# Altium PCB wulpus_pro_acq.PcbDoc (part 2 of 3)
Units mm, origin at the board's own origin, x right, y up, seen from the top; angles counter-clockwise.
Board outline 79.3 x 38 mm, 6 copper layers (Top Layer, Layer 2, Layer 3, Layer 4, Layer 5, Bottom Layer), stack 0.926 mm thick; 202 components, 136 nets, 925 pads, 254 vias.
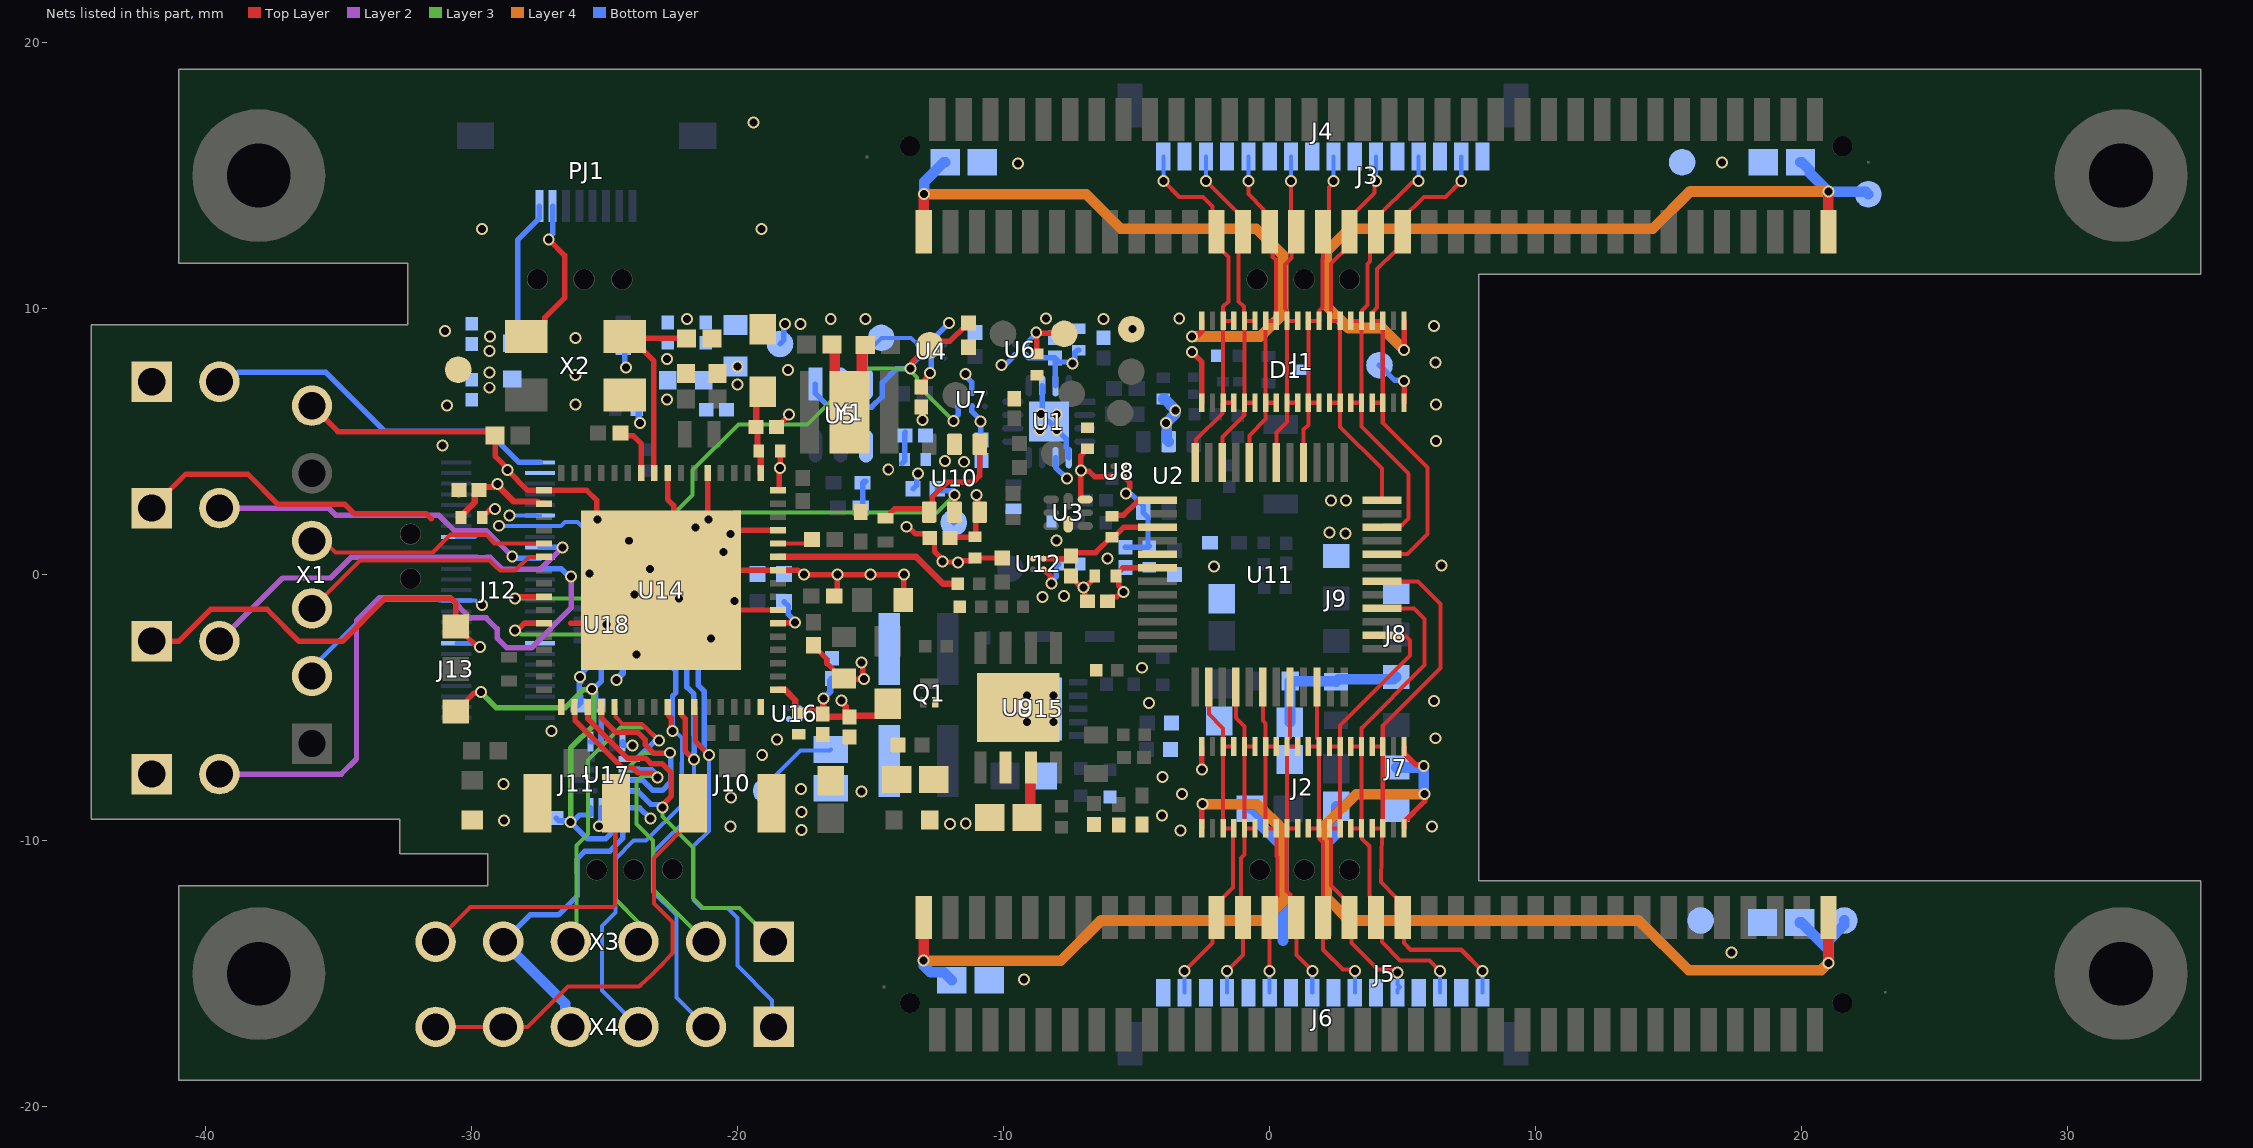
[diagram p6: the nets of this part, all layers, seen from the top]

## Part data (continued)
C64: library part CMP-2007-03354-2, "GCM21BR71H105KA03L", Capacitance=1uF, Case Code (Imperial)=0805, Case Code (Metric)=2012, Dielectric=X7R, Max Operating Temperature=125°C, Min Operating Temperature=-55°C, Package Quantity=3000, Ratings=AEC-Q200, Tolerance=10%, Voltage Rating=50V, Case/Package=0805, Depth=1.2mm, Height=1.25mm, Lead Free="Lead Free", Length=2mm, Mount="Surface Mount", Packaging="Tape and Reel", Radiation Hardening=No, Termination=SMD/SMT, Thickness=0.055inch, Voltage Rating (DC)=50V, Weight=0.000335oz, Width=0.049inch
C67: library part CMP-06035-019038-1, "GRM155C71H104KE19D", Capacitance=100nF, Dielectric=X7S, Tolerance=10%, Voltage Rating (DC)=50V, Length=1mm, Thickness=500um, Width=500um
C69 C70 C71 C72: library part CMP-06035-028020-1, "GRM155Z71A105KE01D"
D1: library part CMP-12791-000024-1, "DIODE ARRAY GP 85V 75MA SOT523", Capacitance=1.5pF, Forward Current=75mA, Manufacturer="Diodes Inc.", Max Junction Temp=+150°C, Max Repetitive Reverse Voltage=85V, Max Surge Forward Current=0.5A, Package=SOT523, Peak Reverse Current=2uA, Temperature="-65°C to +150°C", Temperature Range Low=-65°C, Automotive=No, Category=Diode, ComponentLink2Description=Datasheet, ComponentLink2URL=https://www.diodes.com/assets/Datasheets/ds30260.pdf, Device Class L1="Discrete Semiconductors", Device Class L2=Diodes, Device Class L3="Rectifier Diodes", Digikey Description="DIODE ARRAY GP 85V 75MA SOT523", Footprint Url=https://www.diodes.com/assets/Package-Files/SOT523.pdf, Height=0.9mm, Lead Free=Yes, Manufacturer Part Number=BAV99T-7-F, Mouser Description="BAV99T Series 4 A 85 V 150 mW Surface Mount Fast Switching Diode - SOT-523", Octopart=https://octopart.com/bav99t-7-f-diodes+inc.-326340, Reverse Voltage=85V, RoHS=TRUE, Standoff Height=0mm, Temperature Range High=+150°C
D2: library part CMP-44529-000045-1, "LED GREEN CLEAR 1608 SMD", Case Code (Imperial)=0603, Case Code (Metric)=1608, Color=Green, Forward Voltage=2.65V, Lens Color=Colorless, Test Current=2mA, Case/Package=0603, Dominant Wavelength=525nm, Height=0.75mm, Length=1.6mm, Lens Size=0.7mm, Lens Style=Round, Lens Transparency=Clear, Luminous Intensity=180mcd, Mount="Surface Mount", Packaging="Tape and Reel", Viewing Angle=100°, Width=0.8mm
D3: "Diode Schottky 40V 1A Automotive 2-Pin SOD-323 T/R", Average Rectified Current=1A, Manufacturer=Diodes, Max Reverse Voltage (DC)=40V, Supplier Part Number 1=3127490, Category="Rectifier Diodes", ComponentLink1Description=http://www.mouser.com/ds/2/115/ZHCS400Q-959646.pdf?src-supplier=Mouser, ComponentLink1URL=http://www.mouser.com/ds/2/115/ZHCS400Q-959646.pdf?src-supplier=Mouser, Manufacturer Part Number=ZHCS400QTA, Mount="Surface Mount", Packaging="Tape and Reel", Pricing 1="5=0.87300, 10=0.73400, 100=0.49400, 500=0.38800 (CHF)", RoHS=Yes, RoHS Compliant=Yes, Stock 1=385, Supplier 1=Farnell
FB1 FB2: library part CMP-00260-111572291-1, "BLM18SP101SN1D Ferrite Bead, 100 Ohm, 3.7A, 0603 Rohs Compliant: Yes", Case/Package=0603, Max Operating Temperature=125°C, Min Operating Temperature=-55°C, Resistance=22mΩ, RMS Current (Irms)=3.7A, Test Frequency=100MHz, Tolerance=25%, Core Material=Ferrite, Height=950µm, Lifecycle Status=Production, NexarPartId=111572291, Series Resistance=22mΩ
FB3 FB4: library part CMP-00260-111572290-1, "BLM18SP101SH1D Ferrite Beads Multi-Layer 100Ohm 25% 100MHz 3.7A 0.022Ohm DCR 0603 Automotive T/R", Case/Package=0603, Max Operating Temperature=125°C, Min Operating Temperature=-55°C, Resistance=22mΩ, RMS Current (Irms)=3.7A, Test Frequency=100MHz, Tolerance=25%, Core Material=Ferrite, Height=950µm, Lifecycle Status=Production, NexarPartId=111572290, Schedule B="8504500000, 8504500000", Series Resistance=22mΩ
J1 J2: library part CMP-11605-000009-1, "CONN RCPT 40POS SMD GOLD", Current Rating=0.3A, Manufacturer=Hirose, Package=0, Temperature="-35°C to +85°C", Temperature Range High=+85°C, Temperature Range Low=-35°C, Voltage Rating=30V, Automotive=No, Category=Conn, ComponentLink2Description=Datasheet, ComponentLink2URL=https://www.hirose.com/product/document?clcode=CL0684-4008-7-51&productname=DF40C-40DS-0.4V(51)&series=DF40&documenttype=SpecSheet&lang=en&documentid=0000427780, Conn Gender=Female, Conn Orientation=Vertical, Contact Material=Gold,Nickel, Device Class L1=Connectors, Device Class L2="Board to Board Connectors", Device Class L3=unset, Digikey Description="CONN RCPT 40POS SMD GOLD", Footprint Url=https://www.hirose.com/product/document?clcode=CL0684-4008-7-51&productname=DF40C-40DS-0.4V(51)&series=DF40&documenttype=2DDrawing&lang=en&documentid=0001001229, Height=1.65mm, Is Female=yes, Lead Free=Yes, Manufacturer Part Number=DF40C-40DS-0.4V(51), Number of Contacts=40, Number of Rows=2, Octopart=https://octopart.com/df40c-40ds-0.4v%2851%29-hirose-19073526, Pitch=0.4mm, RoHS=TRUE, Standoff Height=0mm
J3 J5: "Conn; Rect; Industrial; MezzanineRECP; 69Cnts; SMT; I-IndustrialSeries", Package=None, Availability=Unavailable, MP=91931-31169LF, Price=None
J4 J6: "No Description Available", Mfr_Name=Hirose, Copyright="Copyright (C) 2022 Ultra Librarian. All rights reserved.", Manufacturer_Part_Number=DF52-16S-0.8H(21), RefDes=RefDes, Type=DEV
J7 J8 J9 J13: library part CMP-00467-6, "Solder Jumper 3 Pads", Technology=SMT
J10 J11: library part CMP-2000-05152-3, "CONN U.FL RCPT STR 50 OHM SMD", Dielectric Material=Polymer, Frequency=6GHz, Housing Color=Beige, Insulation Resistance=500MR, Max Operating Temperature=90°C, Min Operating Temperature=-40°C, Package Quantity=2500, Body Material=Bronze, Body Plating=Silver, Connector Type=Coaxial, Contact Material=Brass, Contact Plating=Gold, Depth=3.1mm, Fastening Type=Snap, Gender=Male, Impedance=50R, Lead Free="Lead Free", Length=3mm, Max Frequency=6GHz, Mount="Surface Mount", Orientation=Straight, Packaging="Cut Tape", Radiation Hardening=No, REACH SVHC="No SVHC", Series=U.FL, Termination=Solder, Weight=0.001764oz, Wire/Cable Type=Coaxial
J12: "50 Position 0.4mm Pitch Dual Row Vertical Surface Mount (SMT) Pin Socket, 3.0mm Stacking Height", Mfr_Name=Hirose, Copyright="Copyright (C) 2023 Ultra Librarian. All rights reserved.", Manufacturer_Part_Number=DF40HC(3.0)-50DS-0.4V(51), RefDes=RefDes, Type=DEV
L1 L2: library part CMP-0220-00032-1, "SMD EMI Suppression Ferrite Bead WE-CBF, Z = 600 Ohm", ComponentLink1Description="Manufacturer Link", ComponentLink1URL=http://www.we-online.com, ComponentLink2Description=Datasheet, ComponentLink2URL=http://www.we-online.de/katalog/media/pdf/742792040.pdf, DatasheetVersion=Dec-2005, Impedance="600 Ohm", PackageDescription="Chip Inductor, 2-Leads, Body 2.0 x 1.2 mm", PackageReference=SMD-0805, PackageVersion=2005
L3 L4: library part CMP-06042-007129-1, "Wire Wound Ferrite Inductor for Power Lines For Automotive 10μH ±20% 0.228Ω 1280mA 1212", Case Code (Imperial)=1212, Case Code (Metric)=3030, Current Rating=1.28A, DC Resistance (DCR)=228mR, Inductance=10uH, Max Operating Temperature=85°C, Min Operating Temperature=-40°C, Ratings=AEC-Q200, Resistor Type=Wirewound, Saturation Current=810mA, Self Resonant Frequency=20MHz, Test Frequency=1MHz, Tolerance=20%, Case/Package=1212, Core Material=Ferrite, Mount="Surface Mount", Packaging="Cut Tape", Shielding=Shielded
M1 M2 M3 M4: library part CMP-00274-1, "M2 Hole, 2.4mm drill, 5mm landing pads, 3mm pad in middle layers, no overlay", ClassName="Mounting Hole"
PJ1: library part MOLEX_5051100892
Q1: "MOSFET (N-Channel)", Manufacturer_Name=Nexperia, Mouser Part Number=771-NX7002BKMBYL, Arrow Part Number=NX7002BKMBYL, Arrow Price/Stock=https://www.arrow.com/en/products/nx7002bkmbyl/nexperia?region=nac, Datasheet Link=https://assets.nexperia.com/documents/data-sheet/NX7002BKMB.pdf, Height=0.4mm, Manufacturer_Part_Number=NX7002BKMBYL, Mouser Price/Stock=https://www.mouser.co.uk/ProductDetail/Nexperia/NX7002BKMBYL?qs=%252BRKXB2WKlSdBDdfwQeVqTQ%3D%3D
R1: library part CMP-1011-00077-3, "CRCW04021K30JNED", Case Code (Imperial)=0402, Case Code (Metric)=1005, Max Operating Temperature=155°C, Max Power Dissipation=63mW, Min Operating Temperature=-55°C, Package Quantity=1, Resistance=1.3kR, Temperature Coefficient=200ppm/°C, Tolerance=5%, Voltage Rating=50V, Case/Package=0402, Composition="Thick Film", Contact Plating=Tin, Depth=0.5mm, Features="Automotive AEC-Q200", Height=0.016inch, Lead Free="Lead Free", Length=1mm, Military Standard=Not, Number of Terminations=2, Packaging="Tape and Reel", Power Rating=63mW, Radiation Hardening=No, Voltage Rating (DC)=50V, Weight=2.3E-05oz, Width=0.5mm
R2 R3: library part CMP-2002-00758-4, "ERJ-2RKF2001X", Case Code (Imperial)=0402, Case Code (Metric)=1005, Max Operating Temperature=155°C, Max Power Dissipation=100mW, Min Operating Temperature=-55°C, Package Quantity=10000, Resistance=2kR, Resistance Tolerance=1%, Resistor Type="Thick Film", Temperature Coefficient=100ppm/°C, Voltage Rating=50V, Case/Package=0402, Construction=Rectangular, Contact Plating=Tin, Depth=0.5mm, Features="Automotive AEC-Q200", Height=0.35mm, Lead Free="Lead Free", Length=1mm, Military Standard=Not, Mount="Surface Mount", Number of Terminations=2, Packaging="Tape and Reel", Power Rating=100mW, Radiation Hardening=No, REACH SVHC="No SVHC", RoHS Compliant=Yes, Series=ERJ, Technology="THICK FILM", Termination=SMD/SMT, Tolerance=1%, Voltage Rating (DC)=50V, Width=0.02inch, Working Voltage=50V
R4 R21 R33 R34: library part CMP-00030-23798141-1, "CRCW04021R00FKEDC", Case/Package=0402, Max Operating Temperature=155°C, Min Operating Temperature=-55°C, Power Rating=63mW, Resistance=1Ω, Temperature Coefficient=100ppm/°C, Tolerance=1%, Voltage Rating=50V, Composition="Thick Film", Height=350µm, Lead Free="Lead Free", NexarPartId=23798141, RoHS=Compliant, Schedule B="8533210045, 8533210045"
R5: library part CMP-02407-008611-1, "MCS04020C2701FE000", Case/Package=0402, Max Operating Temperature=125°C, Max Power Dissipation=100mW, Min Operating Temperature=-55°C, Package Quantity=10000, Resistance=2.7kR, Temperature Coefficient=50ppm/°C, Tolerance=1%, Composition="Thin Film", Contact Plating=Tin, Depth=0.5mm, Height=0.015inch, Lead Free="Lead Free", Length=0.039inch, Military Standard=Not, Number of Terminations=2, Packaging="Tape and Reel", Radiation Hardening=No, Width=0.02inch
R6 R7 R8 R17 R18 R19 R20 R23 R25 R30 R45 R47: library part CMP-2002-08122-2, "CRCW04020000Z0ED", Case Code (Imperial)=0402, Case Code (Metric)=1005, Max Operating Temperature=155°C, Max Power Dissipation=63mW, Min Operating Temperature=-55°C, Package Quantity=1, Resistance=0mR, Temperature Coefficient=100ppm/°C, Tolerance=5%, Voltage Rating=50V, Case/Package=0402, Composition="Thick Film", Contact Plating=Tin, Depth=0.5mm, Features="Automotive AEC-Q200", Height=0.35mm, Lead Free="Lead Free", Length=1mm, Military Standard=Not, Mount="Surface Mount", Number of Terminations=2, Packaging="Tape and Reel", Power Rating=63mW, Radiation Hardening=No, Termination=SMD/SMT, Voltage Rating (DC)=50V, Weight=2.3E-05oz, Width=0.5mm
R9: library part CMP-26527-004787-1, "RMCF0201JT47K0", Case Code (Imperial)=0201, Case Code (Metric)=0603, Max Operating Temperature=125°C, Max Power Dissipation=50mW, Min Operating Temperature=-55°C, Package Quantity=10000, Resistance=47kR, Resistor Type="Thick Film", Temperature Coefficient=200ppm/°C, Tolerance=5%, Case/Package=0201, Contact Plating=Tin, Height=0.009inch, Length=0.024inch, Mount="Surface Mount", Number of Terminations=2, Packaging="Tape and Reel", Power Rating=50mW, Radiation Hardening=No, RoHS Compliant=Yes, Series=RMCF, Width=0.012inch
R10 R11 R12 R14 R16 R22 R43 R44: library part CMP-2002-08136-3, "CRCW040210K0JNED", Case Code (Imperial)=0402, Case Code (Metric)=1005, Max Operating Temperature=155°C, Max Power Dissipation=63mW, Min Operating Temperature=-55°C, Package Quantity=1, Resistance=10kR, Temperature Coefficient=200ppm/°C, Tolerance=5%, Voltage Rating=50V, Case/Package=0402, Composition="Thick Film", Contact Plating=Tin, Depth=0.5mm, Features="Automotive AEC-Q200", Height=0.016inch, Length=1mm, Military Standard=Not, Mount="Surface Mount", Number of Terminations=2, Packaging="Tape and Reel", Power Rating=63mW, Radiation Hardening=No, Termination=SMD/SMT, Weight=2.3E-05oz, Width=0.5mm
R13: library part CMP-2002-00083-2, "CRCW040251R0JNED", Case Code (Imperial)=0402, Case Code (Metric)=1005, Max Operating Temperature=155°C, Max Power Dissipation=63mW, Min Operating Temperature=-55°C, Package Quantity=1, Resistance=51R, Temperature Coefficient=200ppm/°C, Tolerance=5%, Voltage Rating=50V, Case/Package=0402, Composition="Thick Film", Contact Plating=Tin, Depth=0.5mm, Features="Automotive AEC-Q200", Height=0.35mm, Lead Free="Lead Free", Length=1mm, Military Standard=Not, Mount="Surface Mount", Number of Pins=2, Number of Terminations=2, Packaging="Tape and Reel", Power Rating=63mW, Radiation Hardening=No, Termination=SMD/SMT, Voltage Rating (DC)=50V, Weight=2.3E-05oz, Width=0.5mm
R15: library part CMP-2000-00700-2, "ERJ-3GEY0R00V", Manufacturer=Panasonic, Package=0603, Power Rating=0.1W, Resistance=0Ω, Temperature="-55°C to +155°C", Temperature Coefficient=-100/+600ppm/°C, Temperature Range High=+155°C, Temperature Range Low=-55°C, Tolerance=5%, Voltage Rating=75V, Automotive=Yes, Automotive Grade="Grade 0", Category=Res, ComponentLink2Description=Datasheet, ComponentLink2URL=https://industrial.panasonic.com/cdbs/www-data/pdf/RDA0000/AOA0000C301.pdf, Composition="Thick Film", Device Class L1="Passive Components", Device Class L2=Resistors, Device Class L3="Chip SMD Resistors", Digikey Description="RES SMD 0 OHM JUMPER 1/10W 0603", Footprint Url=https://industrial.panasonic.com/cdbs/www-data/pdf/RDA0000/DMA0000COL17.pdf, Height=0.55mm, Ipc Land Pattern Name=RESC16080X45, Lead Free=Yes, Manufacturer Part Number=ERJ-3GEY0R00V, Mouser Description="Resistor, Chip Thick Film, 0 Ohm, 0.1w, Resistor, Chip Thick Film, 0 Ohm, 0.1w, 5%", Octopart=https://octopart.com/erj-3gey0r00v-panasonic-55389238, RoHS=TRUE, Series=ERJ
R24: library part ERJ-PA3J302V, "ERJ-PA3J302V", Manufacturer_Name=Panasonic, Mouser Part Number=667-ERJ-PA3J302V, Datasheet Link=https://industrial.panasonic.com/cdbs/www-data/pdf/RDO0000/AOA0000C331.pdf, Height=0.55mm, Manufacturer_Part_Number=ERJ-PA3J302V, Mouser Price/Stock=https://www.mouser.co.uk/ProductDetail/Panasonic/ERJ-PA3J302V?qs=BzJM0faLVqU1ZJAPCjWnWA%3D%3D
R26 R29: library part CMP-13261-002896-1, "RC1005F394CS", Case Code (Imperial)=0402, Case Code (Metric)=1005, Max Operating Temperature=155°C, Max Power Dissipation=63mW, Min Operating Temperature=-55°C, Resistance=390kR, Temperature Coefficient=100ppm/°C, Tolerance=1%, Voltage Rating (DC)=50V, Case/Package=0402, Composition="Thick Film", Contact Plating=Tin, Depth=0.5mm, Features="Moisture Resistant", Height=0.016inch, Lead Free="Lead Free", Length=0.039inch, Military Standard=Not, Number of Terminations=2, Packaging="Tape and Reel", Radiation Hardening=No, Width=0.02inch
R27 R28 R46: library part CMP-2002-00608-4, "ERJ-2RKF1003X", Case Code (Imperial)=0402, Case Code (Metric)=1005, Max Operating Temperature=155°C, Max Power Dissipation=100mW, Min Operating Temperature=-55°C, Package Quantity=1, Resistance=100kR, Temperature Coefficient=100ppm/°C, Tolerance=1%, Voltage Rating=50V, Case/Package=0402, Composition="Thick Film", Contact Plating=Tin, Depth=0.5mm, Features="Automotive AEC-Q200", Height=0.35mm, Lead Free="Lead Free", Length=1mm, Military Standard=Not, Mount="Surface Mount", Number of Pins=2, Number of Terminations=2, Packaging="Tape and Reel", Power Rating=100mW, Radiation Hardening=No, REACH SVHC="No SVHC", Termination=SMD/SMT, Voltage Rating (DC)=50V, Width=0.5mm
R31 R32: library part CMP-2002-08314-2, "RES Thick Film, 1MΩ, 1%, 0.063W, 100ppm/°C, 0402", Case Code (Imperial)=0402, Case Code (Metric)=1005, Max Operating Temperature=155°C, Max Power Dissipation=63mW, Min Operating Temperature=-55°C, Package Quantity=10, Resistance=1M, Temperature Coefficient=100ppm/°C, Tolerance=1%, Voltage Rating=50V, Case/Package=0402, Composition="Thick Film", Contact Plating=Tin, Depth=0.5mm, Features="Automotive AEC-Q200", Height=0.35mm, Lead Free="Lead Free", Length=1mm, Military Standard=Not, Number of Pins=2, Number of Terminations=2, Packaging="Tape and Reel", Power Rating=63mW, Radiation Hardening=No, Termination=SMD/SMT, Voltage Rating (DC)=50V, Weight=2.3E-05oz, Width=0.02inch
R35 R38: library part CMP-2002-07961-1, Manufacturer="Yageo / Phycomp", Resistance=22, Part Number=RC0402JR-0722RL
R36: library part CMP-2002-03257-1, Manufacturer="TE Connectivity / AMP", Resistance=324, Part Number=CPF0402B324RE1
R37: library part CMP-02407-007705-1, "RES Thick Film, 47kΩ, 1%, 0.063W, 100ppm/°C, 0402", Case Code (Imperial)=0402, Case Code (Metric)=1005, Max Operating Temperature=155°C, Min Operating Temperature=-55°C, Package Quantity=10000, Power Rating=63mW, Resistance=47k, Temperature Coefficient=100ppm/°C, Tolerance=1%, Voltage Rating=50V, Case/Package=0402, Composition="Thick Film", Contact Plating=Tin, Depth=0.5mm, Height=0.35mm, Lead Free="Lead Free", Length=1mm, Military Standard=Not, Mount="Surface Mount", Number of Terminations=2, Packaging="Tape and Reel", Radiation Hardening=No, Termination=SMD/SMT, Voltage Rating (DC)=50V, Weight=2.3E-05oz, Width=0.5mm, Working Voltage=50V
R39 R42: library part ERJ-2RKF1004X, "ERJ-2RKF1004X", Manufacturer_Name=Panasonic, Mouser Part Number=667-ERJ-2RKF1004X, Arrow Part Number=ERJ-2RKF1004X, Arrow Price/Stock=https://www.arrow.com/en/products/erj-2rkf1004x/panasonic?region=nac, Datasheet Link=https://industrial.panasonic.com/cdbs/www-data/pdf/RDA0000/AOA0000C86.pdf, Height=0.4mm, Manufacturer_Part_Number=ERJ-2RKF1004X, Mouser Price/Stock=https://www.mouser.co.uk/ProductDetail/Panasonic/ERJ-2RKF1004X?qs=H7k1u0Mp9JTG%252BclS6LVdqw%3D%3D
R40: library part ERJ-2RKF4322X, "ERJ-2RKF4322X", Manufacturer_Name=Panasonic, Mouser Part Number=667-ERJ-2RKF4322X, Datasheet Link=https://industrial.panasonic.com/cdbs/www-data/pdf/RDA0000/AOA0000C86.pdf, Height=0.4mm, Manufacturer_Part_Number=ERJ-2RKF4322X, Mouser Price/Stock=http://www.mouser.com/Search/ProductDetail.aspx?qs=YMBIwoNQYdULE5GECeB%2fdA%3d%3d
R41: library part ERJ-2RKF4122X, "ERJ-2RKF4122X", Manufacturer_Name=Panasonic, Mouser Part Number=667-ERJ-2RKF4122X, Arrow Part Number=ERJ-2RKF4122X, Arrow Price/Stock=https://www.arrow.com/en/products/erj-2rkf4122x/panasonic?utm_currency=USD&region=nac, Datasheet Link=https://industrial.panasonic.com/cdbs/www-data/pdf/RDA0000/AOA0000C86.pdf, Height=0.4mm, Manufacturer_Part_Number=ERJ-2RKF4122X, Mouser Price/Stock=https://www.mouser.co.uk/ProductDetail/Panasonic/ERJ-2RKF4122X?qs=YMBIwoNQYdUCaGOKDy4kUA%3D%3D
TP1 TP2 TP3 TP4 TP5 TP6 TP7 TP8 TP9 TP10 TP11 TP12 TP13 TP14 TP15 TP16 TP17 TP18 TP19 TP20: library part CMP-0484-00002-1, "Test Point, Surface Mount, Circular, Pad Diameter 1 mm"
U1: library part CMP-09116-000032-1, "IC OPAMP VGA 1 CIRCUIT 16LFCSP", Manufacturer="Analog Devices", Max Junction Temp=+150°C, Max Supply Voltage=5V, Min Supply Voltage=3V, Nominal Supply Current=3-6mA, Output Current per Channel=5mA, Package=CP-16-22, Temperature="-40°C to +85°C", Temperature Range High=+85°C, Temperature Range Low=-40°C, Voltage Gain=80dB, Automotive=No, Bandwidth=18MHz, Category=IC, ComponentLink2Description=Datasheet, ComponentLink2URL=https://www.analog.com/media/en/technical-documentation/data-sheets/AD8338.pdf, Device Class L1="Integrated Circuits (ICs)", Device Class L2="Linear ICs", Device Class L3="Amplifiers - Op Amps", Digikey Description="IC OPAMP VGA 1 CIRCUIT 16LFCSP", Height=0.8mm, Ipc Land Pattern Name=QFN50P300X300X75-16, Lead Free=Yes, Manufacturer Part Number=AD8338ACPZ-R7, Mouser Description="Special Purpose Amplifiers Ultra Low Pwr 18MHz SGL CH VGA", Number of Channels=1, Octopart=https://octopart.com/ad8338acpz-r7-analog+devices-21054770, RoHS=TRUE
U2 U10: library part CMP-0018-00480-2, "Very Low Power, Rail to Rail Out, Negative Rail In, VFB Operational Amplifier, 2.5 to 5.5 V, -40 to 125 degC, 6-pin SOT23 (DBV6), Green (RoHS & no Sb/Br)", Manufacturer="Texas Instruments", 2nd Harmonic(dBc)=85, 3rd Harmonic(dBc)=105, @ MHz=1, Acl, min stable gain(V/V)=1, BW @ Acl(MHz)=205, Code_JEDEC=MO-178, ComponentLink1Description="Manufacturer URL", ComponentLink1URL=http://www.ti.com/, ComponentLink2Description=Datasheet, ComponentLink2URL=http://www.ti.com/general/docs/lit/getliterature.tsp?genericPartNumber=OPA836&fileType=pdf, ComponentLink3Description="Package Specification", ComponentLink3URL=http://www.ti.com/litv/pdf/mpds026h, DatasheetVersion=SLOS712D, Eco-Plan="Green (RoHS & no Sb/Br)", Iib(Max)(nA)=1000, Io(Typ)(mA)=50, Iq per channel(Max)(mA)=1, Mounting Technology="Surface Mount", Number of Channels=1, PackageDescription="6-Pin Plastic Small Outline, Body 1.6 x 2.9 mm, Pitch 0.95 mm", PackageReference=DBV0006A, PackageVersion="4073253-5/K, 03/2006", PartNumber=OPA836IDBVT, Settling Time (0.1%)(Typ)(ns)=30, Slew Rate(Typ)(V/us)=560, Sub Family="Audio Operational Amplifier, High Output Current Amplifier (>=50mA), High Speed Amplifier (>=50MHz), Low Noise Amp (<=10nV/rtHz), Low Offset Voltage Amplifier (<=500uV), Low Supply Voltage Amplifier (<=2.7V)", Vio(Max)(mV)=0.4, Vn at Flatband(Typ)(nV/rtHz)=4.6, Vs(Max)(V)=5.5, Vs(Min)(V)=2.5
U3: library part CMP-0004-01511-1, "256-Tap, 100 k, Single Channel Potentiometer with SPI Interface, -40 to 125 degC, 8-pin QFN (RSE8), Green (RoHS & no Sb/Br)", Manufacturer="Texas Instruments", Code_JEDEC=MO-288, ComponentLink1Description="Manufacturer URL", ComponentLink1URL=http://www.ti.com/, ComponentLink2Description=Datasheet, ComponentLink2URL=http://www.ti.com/general/docs/lit/getliterature.tsp?genericPartNumber=TPL0501-100&fileType=pdf, ComponentLink3Description="Package Specification", ComponentLink3URL=http://www.ti.com/litv/pdf/mpqf207b, DAC Channels=1, DatasheetVersion=SLIS136A, DNL(Max)(+/-LSB)=0.5, Eco-Plan="Green (RoHS & no Sb/Br)", INL(Max)(+/-LSB)=1, Interface=SPI, Mounting Technology="Surface Mount", PackageDescription="8-Pin Plastic Quad Flatpack No-Pin, 1.5 x 1.5 mm Body, 0.5 mm Pitch", PackageReference=RSE8, PackageVersion="4207268-2/D, 01/2011", PartNumber=TPL0501-100RSER, Settling Time(us)=3, SubFamily="Digital Potentiometer"
U4 U7: "Analogue Switch ICs SPDT ANALOG SWITCH", Manufacturer_Name="Texas Instruments", Arrow Part Number=TS5A3159AYZPR, Arrow Price/Stock=https://www.arrow.com/en/products/ts5a3159ayzpr/texas-instruments?utm_currency=USD&region=nac, Datasheet Link=https://www.ti.com/lit/ds/symlink/ts5a3159a.pdf?ts=1623385377964&ref_url=https%253A%252F%252Fwww.ti.com%252Fproduct%252FTS5A3159A, Geometry.Height=0.5mm, Manufacturer_Part_Number=TS5A3159AYZPR
U5: library part CMP-09141-000004-1, "IC RF DETECT 100KHZ-1GHZ TSOT23", Manufacturer="Analog Devices", Max Frequency=1000MHz, Max Junction Temp=+125°C, Package=TSOT-23, Temperature="-40°C to +85°C", Temperature Range High=+85°C, Temperature Range Low=-40°C, Automotive=No, Bandwidth=999.9MHz, Category=IC, ComponentLink2Description=Datasheet, ComponentLink2URL=https://www.analog.com/media/en/technical-documentation/data-sheets/5507f.pdf, Device Class L1="Integrated Circuits (ICs)", Device Class L2="RF Semiconductors and Devices", Device Class L3=unset, Digikey Description="IC RF DETECT 100KHZ-1GHZ TSOT23", Height=1mm, Ipc Land Pattern Name=SOT95P280X91-6, Lead Free=Yes, Manufacturer Part Number=LTC5507ES6#TRMPBF, Mouser Description="RF Detector 0.1MHz to 1000MHz 14dBm Automotive 6-Pin TSOT-23 T/R", Octopart=https://octopart.com/ltc5507es6%23trmpbf-analog+devices-88320008, RoHS=TRUE, Standoff Height=0.01mm
U6 U8 U12 U16: "TPS22916 5.5-V, 2-A Ultra-Low Leakage Load Switch", Manufacturer_Name="Texas Instruments", Arrow Part Number=TPS22916CYFPR, Arrow Price/Stock=https://www.arrow.com/en/products/tps22916cyfpr/texas-instruments?utm_currency=USD&region=nac, Datasheet Link=http://www.ti.com/lit/gpn/tps22916, Geometry.Height=0.5mm, Manufacturer_Part_Number=TPS22916CYFPR
U9: "Integrated Circuit", Manufacturer_Name=LITTELFUSE, Mouser Part Number=849-IXDD604D2TR, Arrow Part Number=IXDD604D2TR, Arrow Price/Stock=https://www.arrow.com/en/products/ixdd604d2tr/ixys, Datasheet Link=http://www.ixysic.com/home/pdfs.nsf/www/IXD_604.pdf/$file/IXD_604.pdf, Height=1mm, Manufacturer_Part_Number=IXDD604D2TR, Mouser Price/Stock=https://www.mouser.co.uk/ProductDetail/IXYS-Integrated-Circuits/IXDD604D2TR?qs=RF%252Bx3zajg8LeQlBgW9OO7w%3D%3D
U11: "16-CH 200V No Hv Bias Switch (SPST), 2 Bleed Resistor 48 LQFP 7X7X1.4MM T/r Rohs Compliant: Yes", Manufacturer=Microchip, Category="Decoders and Multiplexers", Manufacturer Part Number=HV2707T-C/R8X, Pricing 1="1=19.01000, 25=15.84720, 100=14.65500 (USD)", RoHS=Yes, Stock 1=440, Supplier 1=Digi-Key
U14: "No Description Available", Mfr_Name="Texas Instruments", Copyright="Copyright (C) 2021 Ultra Librarian. All rights reserved.", Manufacturer_Part_Number=MSP430FR5043IRGCT, RefDes=RefDes, Type=DEV
U15: library part CMP-0478-00030-1, "Dual Micropower DC/DC Converters with Schottky Diodes, 2.4 to 15 V Vin, 10-pin SON (DD-10), -40 to 85 degC, Pb-Free", Manufacturer="Linear Technology", PartNumber=LT3463AEDD#PBF, Code_JEDEC=MO-229, ComponentLink1Description="Manufacturer URL", ComponentLink1URL=http://www.linear.com/, ComponentLink2Description=Datasheet, ComponentLink2URL=http://cds.linear.com/docs/en/datasheet/3463f.pdf, ComponentLink3Description="Package Specification", ComponentLink3URL=http://cds.linear.com/docs/en/packaging/DFN_10_05-08-1699.pdf, Mounting Technology="Surface Mount", Number Of Outputs=2, PackageDescription="10-Pin Plastic DFN, Body 3 x 3 mm, Pitch 0.5 mm", PackageReference=DD-10, PackageVersion="Rev. C, 06/2010", RoHS=TRUE, Vin Max(V)=15, Vin Min(V)=2.4
U17 U18: "Voltage Level Translator Bidirectional 1 Circuit 4 Channel 380Mbps 16-UQFN _2.6x1.8_", Package="UQFN-16 Texas Instruments", Digi-Key_Part_Number=296-24741-1-ND, DigiKey-Purchase-URL=https://snapeda.com/shop?store=DigiKey&id=192411, MF="Texas Instruments", MP=SN74AVC4T774RSVR, SnapEDA_Link=https://www.snapeda.com/parts/SN74AVC4T774RSVR/Texas%20Instruments/view-part/192411/?ref=snap
X1 X3 X4: library part CMP-00729-1, "6 Positions Header, Unshrouded Connector 0.100\" (2.54mm) Through Hole Gold or Gold, GXT™", Colour=Black, Current Rating=3A, Flammability Rating="UL94 V-0", Insulation Resistance=5GR, Max Operating Temperature=125°C, Max Voltage Rating (AC)=1.5kV, Min Operating Temperature=-65°C, Package Quantity=100, Connector Type="Male Pin", Contact Gender=Male, Contact Material=Bronze, Contact Mating Length=0.23inch, Contact Plating="Nickel, Gold, GXT", Depth=2.41mm, Gender=Male, Housing Colour=Black, Housing Material=Thermoplastic, Length=15.24mm, Mating Post Length=5.84mm, Mount="Through Hole", Number of Contacts=6, Number of Positions=6, Number of Rows=1, Orientation=Straight, Packaging=Bulk, Pitch=2.54mm, Radiation Hardening=No, REACH SVHC="No SVHC", Termination=Solder, Termination Post Length=2.41mm, Voltage Rating=1.5kV
X2: "Crystal 8MHz ±30ppm (Tol) ±30ppm (Stability) 18pF FUND 100Ohm 4-Pin SMD T/R", Case/Package=SMD/SMT, ESR (Equivalent Series Resistance)=100R, Frequency=8MHz, Frequency Stability=30ppm, Load Capacitance=18pF, Manufacturer=Diodes, Max Operating Temperature=85°C, Min Operating Temperature=-40°C, Supplier Part Number 1=FY0800018CT-ND, Category=Crystals, ComponentLink1Description=http://media.digikey.com/pdf/Data%20Sheets/Pericom%20PDFs/FY0800018_VerB.pdf?src-supplier=Digi-Key, ComponentLink1URL=http://media.digikey.com/pdf/Data%20Sheets/Pericom%20PDFs/FY0800018_VerB.pdf?src-supplier=Digi-Key, Frequency Tolerance=30ppm, Height=0.043inch, Length=0.197inch, Manufacturer Part Number=FY0800018, Mount="Surface Mount", Packaging="Cut Tape", Pricing 1="1=0.80000, 10=0.70800, 50=0.66220, 100=0.58520, 500=0.55440 (USD)", RoHS=Yes, Stock 1=10869, Supplier 1=Digi-Key, Width=0.126inch
X5 X6 X7 X8: library part CMP-00100-3, "2 Positions Header, Unshrouded Connector 0.100\" (2.54mm) Through Hole Gold or Gold, GXT™", Case/Package=100, Colour=Black, Current Rating=3A, Flammability Rating="UL94 V-0", Insulation Resistance=5GR, Manufacturer="Amphenol FCI", Max Operating Temperature=125°C, Max Voltage Rating (AC)=1.5kV, Min Operating Temperature=-65°C, Supplier part number=609-3500-ND, ComponentLink1Description=68000-274228-5149165.pdf, ComponentLink1URL=https://datasheet.ciiva.com/5149/68000-274228-5149165.pdf, ComponentLink2Description=68000-722084.pdf, ComponentLink2URL=https://datasheet.ciiva.com/722/68000-722084.pdf, ComponentLink3Description=68000-10149324.pdf, ComponentLink3URL=https://datasheet.ciiva.com/10149/68000-10149324.pdf, ComponentLink4Description=68000-16726309.pdf, ComponentLink4URL=https://datasheet.ciiva.com/16726/68000-16726309.pdf, Connector Type="Male Pin", Contact Gender=Male, Contact Material=Bronze, Contact Mating Length=0.23inch, Contact Plating=Nickel,Gold,GXT, Depth=2.41mm, Gender=Male, Housing Colour=Black, Housing Material=Thermoplastic, Lead Free="Lead Free", Length=5.08mm, Manufacturer Part Number=68000-102HLF, Mating Post Length=5.84mm, Number of Contacts=2, Number of Positions=2, Number of Rows=1, Orientation=Straight, Package Quantity=100, Packaging=Bulk, Pitch=2.54mm, Radiation Hardening=No, Supplier=Digikey, Termination=Solder, Termination Post Length=2.41mm, Voltage Rating=1.5kV, Voltage Rating (DC)=1.5kV
Y1: "No Description Available", Frequency=8MHz, Mfr_Name=Abracon, Copyright="Copyright (C) 2021 Ultra Librarian. All rights reserved.", Manufacturer_Part_Number=AWSCR-8.00CV-T, RefDes=RefDes, Type=DEV
Y2: library part CMP-27762-000002-3, "CRYSTAL 32.7680KHZ 9PF SMD", Case/Package=CSMD, ESR (Equivalent Series Resistance)=90kR, Frequency=32.768kHz, Frequency Tolerance=20ppm, Load Capacitance=9pF, Max Operating Temperature=85°C, Min Operating Temperature=-40°C, Operating Frequency="32.768 kHz", Package Quantity=3000, Depth=1mm, Height=0.5mm, Lead Free="Lead Free", Length=1.6mm, Mount="Surface Mount", Number of Pins=2, Packaging="Tape and Reel", Radiation Hardening=No, REACH SVHC="No SVHC", RoHS Compliant=Yes, Series=ABS05, Series Resistance=90kR, Termination=SMD/SMT, Tolerance=20ppm, Width=1mm

## Free pads (board coordinates)
  round 0.8 hole 0.762 unplated: 2(-32.3,-0.15) 2(-32.3,1.525) 2(-27.525,11.1) 2(-25.775,11.1) 2(-25.3,-11.1) 2(-24.35,11.1) 2(-23.9,-11.1) 2(-22.45,-11.075) 2(-0.475,11.1) 2(-0.375,-11.1) 2(1.3,-11.1) 2(1.3,11.1) 2(3,-11.1) 2(3,11.1)

## Via types
v1: diameter 0.45, hole 0.3, Top Layer to Bottom Layer, tented both sides, 254 vias

## Nets (pads, with @x,y where several pads share a name; then routed paths per layer and width w, separated by ;. In a path a pad name is that pad's centre, name@x,y a point inside that pad or via, vN(x,y) a via of type N, cw(c..) or ccw(c..) an arc to the next point about the centre after c; other vN are vias at no path point)
+5V: C40.2 J12.9 U12.A2 X6.2 | length 17.3
  Top Layer w0.203: U12.A2@-8.5,0.2 -8.5,0.194 -8.247,-0.059 -8.247,-0.278 v1(-8.2,-0.325)
  Layer 2 w0.203: X6.2@-39.48,-2.5 -37.105,-0.125 -35.3,-0.125 -34.524,0.651 -29.807,0.651 -29.785,0.628 -29.452,0.628 -29.43,0.651 -29.301,0.651 -28.856,0.206 -27.408,0.206 v1(-26.589,1.025)
  Layer 4 w0.203: X6.2@-39.48,-2.5 X6.2@-39.48,-2.28 ; v1(-26.589,1.025) v1@-26.585,1.022 ; v1@-26.584,1.022 -26.581,1.02 -26.575,1.02 v1@-26.575,1.007
  Bottom Layer w0.203: J12.9@-27.425,1.02 -27.423,1.022 -26.592,1.022 v1(-26.589,1.025) ; v1(-8.2,-0.325) -8.2,-0.258 -8.023,-0.082 -8.023,0.302 C40.2@-7.925,0.4
+HV: C26.1 C66.1 FB2.2 J8.1 U9.6
  other v1: -12.025,-9.375 -11.425,-9.35 2.3,2.781 2.875,2.781
+V_HV_MUX: C30.1 C31.2 U11.15 U12.A1 | length 4.8
  Top Layer w0.203: U12.A1@-8.5,0.6 -7.58,0.6 -7.351,0.829 -6.546,0.829 -5.975,1.4 C30.1@-5.925,1.4 -5.875,1.4 -5.497,1.778 U11.15@-4.216,1.778
+V_IN_HV: C64.1 L3.1 L4.1 TP18.1 U15.3 U16.A1 | length 3.2
  Bottom Layer w0.152: TP18.1@-18.925,-8.123 -18.925,-7.9 -18.15,-7.125 -17.633,-6.608 -16.535,-6.608 C64.1@-16.5,-6.574
+V_IO_IN: C74.1 C76.1 J12.6 J12.7 J13.3 R46.2 U17.5 U17.6 U17.14 U17.16 U18.14 U18.15 | length 25.4
  Top Layer w0.203: J13.3@-30.6,-5.15 -30.55,-5.15 -30.201,-4.801 -30.201,-4.751 -29.906,-4.456 -29.693,-4.456 v1(-29.646,-4.408)
  Layer 3 w0.203: v1(-29.646,-4.408) -29.658,-4.408 -29.662,-4.413 -29.075,-5 -26.475,-5 -25.801,-4.326 -25.497,-4.326 v1(-25.477,-4.306) ; v1(-26.275,-9.3) -26.275,-6.525 -25.401,-5.651 v1@-25.401,-4.321
  Bottom Layer w0.152: v1(-28.963,1.838) -28.945,1.82 J12.7@-27.425,1.82 -26.648,1.82 -26.494,1.974 -26.016,1.974 -25.66,1.618 -25.66,1.458 R46.2@-25.427,1.225 ; v1(-28.569,2.228) -28.561,2.22 J12.6@-27.425,2.22
  Bottom Layer w0.203: C74.1@-26.82,-9.15 -26.717,-9.253 -26.372,-9.253 v1@-26.347,-9.228 ; U17.16@-25.533,-8.756 -25.533,-9.037 -25.945,-9.037 -26.161,-9.253 -26.217,-9.253 -26.275,-9.195 v1(-26.275,-9.3) -25.64,-9.935 -24.961,-9.935 -24.725,-9.699 U17.14@-24.725,-8.77 ; U17.5@-25.525,-6.28 U17.6@-25.125,-6.28 -25.133,-6.272 -25.133,-5.037 C76.1@-25.245,-4.925 -25.333,-4.837 -25.333,-4.442 -25.427,-4.348 v1@-25.427,-4.314 ; v1(-25.477,-4.306) -25.47,-4.314 v1@-25.427,-4.314 ; U18.14@-24.725,-3.12 U18.15@-25.125,-3.12 -25.125,-4.006 -25.38,-4.261 -25.38,-4.267 v1@-25.427,-4.314
+V_PREAMP: C14.1 C18.2 U2.6 U8.A1 | length 4.1
  Top Layer w0.203: U8.A1@-5.475,3.675 -5.261,3.461 -5.261,3.256 -5.4,3.117 v1(-5.4,3.05)
  Bottom Layer w0.203: C18.2@-5.425,1.03 -4.57,1.03 C14.1@-4.525,1.075 ; v1(-5.4,3.05) -5.353,3.003 -5.178,3.003 -4.75,2.575 -4.75,2.325 -4.575,2.15 C14.1@-4.575,1.075
+V_RX: C9.2 C11.2 C12.2 C13.1 C16.1 C17.2 C20.1 C21.2 C22.2 C23.2 C28.1 C29.2 C72.1 FB4.2 TP20.1 U3.7 U4.B2 U5.4 U6.A2 U7.B2 U8.A2 U10.6 | length 14
  Top Layer w0.203: C22.2@-13.1,6.855 -12.942,7.014 -12.942,7.345 -12.767,7.52 v1(-12.767,7.587) ; C29.2@-12.02,1.375 -11.995,1.4 -11.05,1.4 -11.05,2.2 U10.6@-10.9,2.35 -10.978,2.428 -10.978,2.953 v1(-11.025,3) ; v1(-8.775,9.1) v1@-8.762,9.088 ; C9.2@-8.75,8.3 -8.762,8.312 v1@-8.762,9.088 ; TP20.1@-7.725,9.05 -7.75,9.075 -8.75,9.075 v1@-8.762,9.088 ; v1@-7.1,3.886 -6.786,3.886 -6.575,3.675 U8.A2@-5.875,3.675 ; v1@-7.1,3.886 -7.1,2.992 -7.094,2.986 -7.094,2.87 -7.049,2.825 U3.7@-6.935,2.825 ; v1(-7.1,3.914) -7.1,4.475 -6.998,4.577 -6.998,4.627 -6.9,4.725 C11.2@-6.85,4.725
  Bottom Layer w0.203: C12.2@-15.371,2.5 -15.3,2.571 C13.1@-15.3,3.45 C13.1@-15.237,3.513 ; C13.1@-15.25,3.45 C13.1@-15.181,3.519 ; U5.4@-15.237,4.773 U5.4@-15.175,4.834 ; C20.1@-13.823,4.177 -13.725,4.275 C20.1@-13.725,4.325 -13.715,4.335 -13.715,5.34 C21.2@-13.705,5.35 ; v1(-12.767,7.587) -12.729,7.624 -12.729,8.146 U4.B2@-12.725,8.15 ; U7.B2@-11.2,6.325 -11.196,6.321 -11.196,6.137 -10.875,5.817 v1(-10.875,5.75) -10.857,5.732 -10.857,5.073 C23.2@-10.839,5.055 ; U6.A2@-9.175,8.65 -9.175,8.656 -8.775,9.056 v1(-8.775,9.1)
  other v1: -14.338,3.951 -20,7.15 -20,7.825
+V_RX_CONN: C71.1 FB4.1 J12.11 X7.2 | length 23.4
  Layer 2 w0.203: X7.2@-39.48,-7.5 -34.9,-7.5 -34.325,-6.925 -34.325,-1.725 -33.474,-0.874 -30.801,-0.874 -30.05,-1.625 -29.451,-1.625 -29.041,-2.035 -29.041,-2.385 -28.676,-2.75 -27.75,-2.75 -26.255,-1.255 v1(-26.255,-0.073)
  Layer 4 w0.203: X7.2@-39.48,-7.5 X7.2@-39.28,-7.7 ; v1@-26.291,-0.109 v1(-26.255,-0.073)
  Bottom Layer w0.203: J12.11@-27.425,0.22 -26.622,0.22 -26.376,-0.026 -26.302,-0.026 v1(-26.255,-0.073)
  other v1: -22.651,6.575 -22.65,8.1
+V_VGA: C15.1 C19.2 U1.6 U1.15 U6.A1 | length 4.8
  Bottom Layer w0.203: U6.A1@-9.175,8.25 -9.169,8.25 -9.064,8.145 C19.2@-8.075,8.145 ; U1.6@-8.053,4.104 U1.6@-8.053,4.397 -8.046,4.39 -8.046,4.03 v1(-7.628,3.612) -7.592,3.575 -7.507,3.575 v1@-7.539,3.575 ; U1.15@-8.053,7.103 -8.06,7.11 C19.2@-8.06,8.13 ; C19.2@-8.027,8.097 C19.2@-8.06,8.13 ; v1@-7.61,7.991 -7.921,7.991 C19.2@-8.075,8.145 ; v1(-7.416,7.933) -7.416,7.999 -7.323,8.093 -7.323,8.338 -7.224,8.436 C15.1@-7.174,8.436 ; C19.2@-8.075,8.145 C19.2@-8.06,8.13
+VBAT: J12.1 J12.2 U16.A2 X5.2 | length 13.6
  Bottom Layer w0.203: X5.2@-39.48,7.25 -39.124,7.25 -38.774,7.6 -35.475,7.6 -33.275,5.4 -29.401,5.4 -28.221,4.22 J12.1@-27.425,4.22
+VCC_MSP430_CONN: C69.1 FB3.1 J12.10 X8.2 | length 13.2
  Layer 2 w0.203: X8.2@-39.48,2.5 -35.375,2.5 -35.102,2.227 -31.226,2.227 -30.65,1.65 -29.439,1.65 v1(-28.472,0.682)
  Layer 4 w0.203: X8.2@-39.48,2.5 X8.2@-39.239,2.259
  Bottom Layer w0.203: v1(-28.472,0.682) -28.409,0.62 J12.10@-27.425,0.62
  other v1: -29.325,7.025 -29.324,7.598
-HV: C62.1 FB1.2 J8.3 R24.1 | length 5.6
  Bottom Layer w0.4: C62.1@0.75,-5.549 0.763,-5.537 0.763,-4.012 FB1.2@0.775,-4 0.787,-4.012 2.488,-4.012 R24.1@2.5,-4.025 2.588,-3.937 4.663,-3.937 J8.3@4.75,-3.85
AVCC1: C48.2 C51.1 L2.2 U14.1 | length 3.2
  Top Layer w0.24: U14.1@-19.13,3.82 -19.13,4.58 C48.2@-19.2,4.65 -19.252,4.703 -19.252,5.498 C51.1@-19.305,5.55 -19.305,6.62 L2.2@-19.05,6.875
BOT_EL: C34.1 C35.1 C36.1 C37.1 J1.1 J1.2 J1.39 J1.40 J2.1 J2.2 J2.39 J2.40 J3.1 J3.35 J5.1 J5.35 J7.2 TP13.1 TP16.1 TP17.1 | length 121.9
  Top Layer w0.203: v1(-2.925,8.375) -2.55,8 J1.1@-2.55,6.46 ; v1(-2.925,8.95) -2.878,8.997 -2.708,8.997 -2.55,9.156 J1.2@-2.55,9.54 ; J2.40@-2.55,-9.54 -2.548,-9.538 -2.548,-8.648 v1(-2.525,-8.625) ; v1(-2.55,-7.325) J2.39@-2.55,-6.46 ; J2.2@5.05,-9.54 5.05,-9.293 5.825,-8.518 v1(5.825,-8.25) ; J2.1@5.05,-6.46 5.05,-6.707 5.496,-7.153 5.743,-7.153 v1(5.79,-7.2) ; J1.39@5.05,6.46 v1(5.05,7.275) ; v1(5.05,8.45) J1.40@5.05,9.54